# Altium PCB control_panel.PcbDoc (part 2 of 3)
Units mm, origin at the board's own origin, x right, y up, seen from the top; angles counter-clockwise.
Board outline 120 x 480 mm, 2 copper layers (Top Layer, Bottom Layer), stack 1.635 mm thick; 265 components, 200 nets, 829 pads, 401 vias.
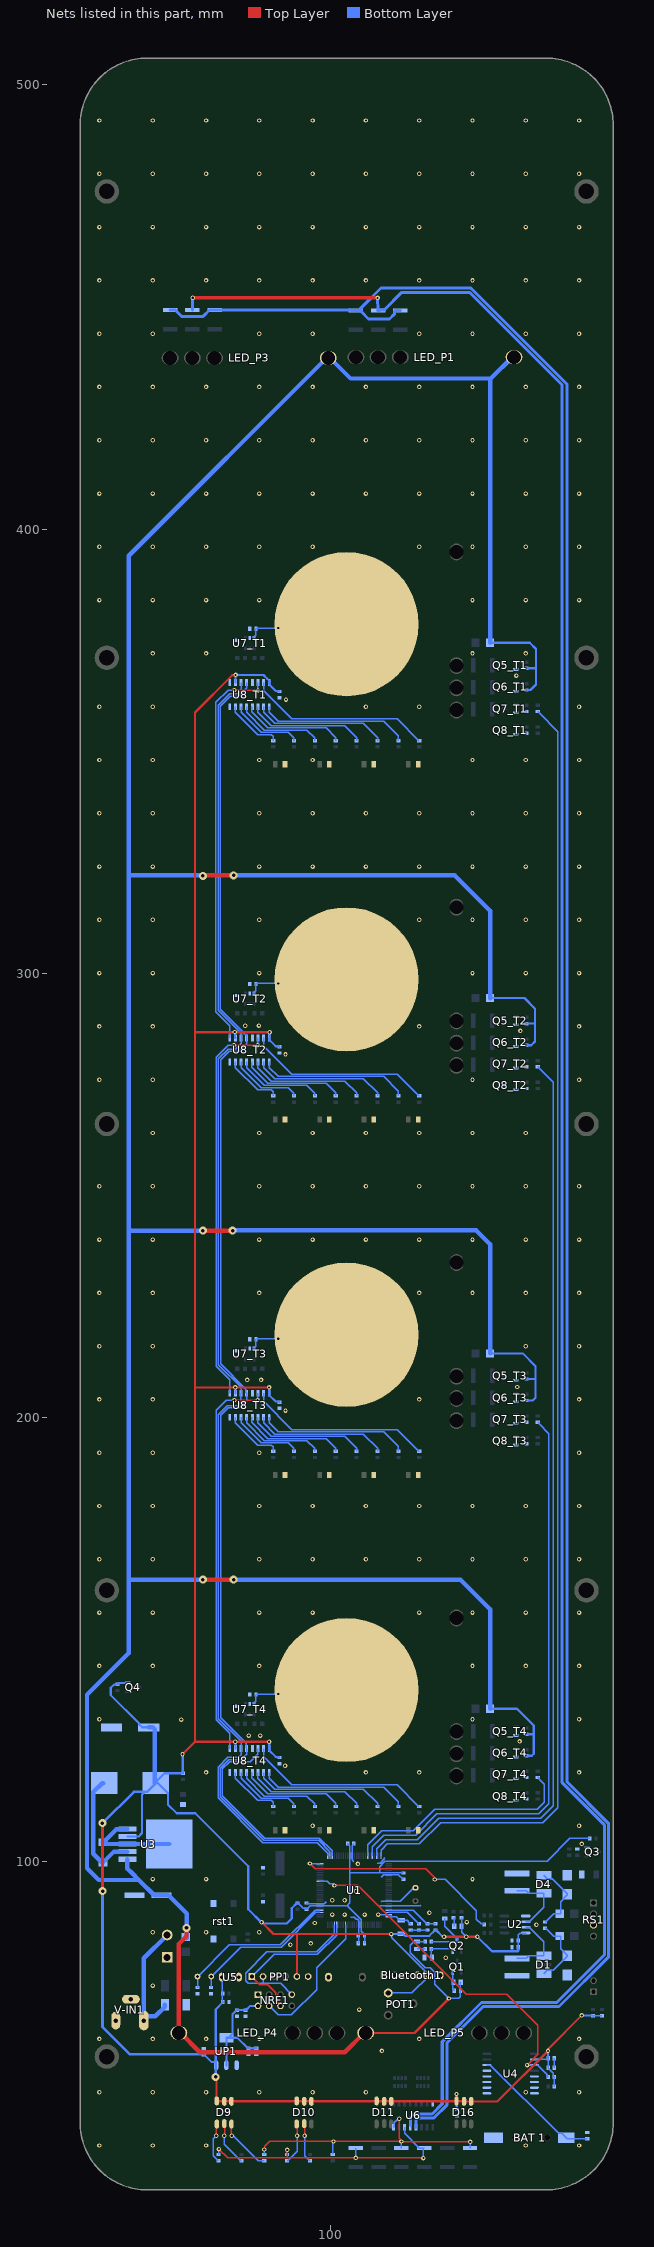
[diagram p2: the nets of this part, all layers, seen from the top]

## Part data
"BAT 1": "COIL CELL CR1220"
Bluetooth1: library part H-1x6, "Header, 6-Pin , female"
C1 C3 C4: library part Capacitor, "CAP SMD 0603", Part Number=C0805X106K9RAC7800
C2 C5 C6 C7 C8 C9 C10 C11 C12 C20 C21 C22 C23 C24 C25 C26_T1 C26_T2 C26_T3 C26_T4 C28_T1 C28_T2 C28_T3 C28_T4 C29 C30 C33: library part Cap, "CAP SMD 0603", LatestRevisionDate=17-Jul-2002, LatestRevisionNote="Re-released for DXP Platform.", PackageDescription="Radial Cap, Thru-Hole; 2 Leads; 0.3 in Pin Spacing", PackageReference=RAD-0.3, Published=8-Jun-2000, Publisher="Altium Limited"
C13 C14: library part C1206C104Z5UACTU, "CAP SMD 0603", Manufacturer_Name=Kemet, Mouser Part Number=80-C1206C104Z5U, Datasheet Link=https://componentsearchengine.com/Datasheets/1/C1206C104Z5UACTU.pdf, Height=0.88mm, Manufacturer_Part_Number=C1206C104Z5UACTU, Mouser Price/Stock=https://www.mouser.com/Search/Refine.aspx?Keyword=80-C1206C104Z5U
C15 C16 C17 C31 C32: library part Capacitor, "CAP SMD 0805", Part Number=C0805X106K9RAC7800
C18 C19: library part "Cap Pol1", "CAP POLAR SMD", LatestRevisionDate=17-Jul-2002, LatestRevisionNote="Re-released for DXP Platform.", PackageDescription="Polarized Capacitor (Radial); 2 Leads", PackageReference=RB7.6-15, Published=8-Jun-2000, Publisher="Altium Limited"
C27_T1 C27_T2 C27_T3 C27_T4: library part Cap, "X7R_NPO", LatestRevisionDate=17-Jul-2002, LatestRevisionNote="Re-released for DXP Platform.", PackageDescription="Radial Cap, Thru-Hole; 2 Leads; 0.3 in Pin Spacing", PackageReference=RAD-0.3, Published=8-Jun-2000, Publisher="Altium Limited"
D1 D4: "TVS Diode (Bi-directional)", Manufacturer_Name=Bourns, Mouser Part Number=652-TBU-CA065-200-WH, Arrow Part Number=TBU-CA065-200-WH, Arrow Price/Stock=https://www.arrow.com/en/products/tbu-ca065-200-wh/bourns?region=nac, Datasheet Link=https://www.bourns.com/data/global/pdfs/TBU-CA.pdf, Height=1mm, Manufacturer_Part_Number=TBU-CA065-200-WH, Mouser Price/Stock=https://www.mouser.co.uk/ProductDetail/Bourns/TBU-CA065-200-WH?qs=kLtMOTa49OkdVs42fYbv8A%3D%3D
D2 D3: "TVS DIODE 12V 19.9V SMB", Current - Peak Pulse (10/1000µs)=30.15A, Manufacturer="AVX Corporation", Operating Temperature="-55°C ~ 150°C (TJ)", Package / Case="DO-214AA, SMB", Power - Peak Pulse=600W, Power Line Protection=No, Supplier Device Package=SMB, Supplier Part Number 1=478-7062-1-ND, Voltage - Breakdown (Min)=13.3V, Voltage - Clamping (Max) @ Ipp=19.9V, Voltage - Reverse Standoff (Typ)=12V, Applications="General Purpose", Bidirectional Channels=1, ComponentLink1Description=Datasheet, ComponentLink1URL=//media.digikey.com/pdf/Data%20Sheets/AVX%20PDFs/Transient%20Suppression%20Diodes.pdf, ComponentLink2Description="DigiKey Link", ComponentLink2URL=http://digikey.com/product-detail/en/avx-corporation/SMBJ12CA/478-7062-1-ND/3340353, LastUpdated="9/2/2020 1:28:17 AM", Lifecycle Status=Active, Minimum Order=1, Mounting Type="Surface Mount", Packaging=TapeAndReel, Part Number=SMBJ12CA, Part Status=Active, PartId=9012, Price=0.16, Series=-, Supplier 1=DigiKey, Type=Zener
D5: library part "Diode 1N4007", "1 Amp schottky Diode", Code_JEDEC=DO-204-AL, ComponentLink1Description="Manufacturer Link", ComponentLink1URL=http://www.fairchildsemi.com/, ComponentLink2Description=Datasheet, ComponentLink2URL=http://www.fairchildsemi.com/ds/1N%2F1N4001.pdf, DatasheetVersion=1998, LatestRevisionDate=17-Jul-2002, LatestRevisionNote="Re-released for DXP Platform.", PackageDescription="Diode, Axial; Body 5.2 x 2.7 mm (LxDia. max), Lead Dia. 0.86 mm (max)", PackageReference=DO-41, PackageVersion=Aug-1999, Published=8-Jun-2000, Publisher="Altium Limited"
D6 D7: library part SBR0560S1-7, "Diode Super Barrier 60V 500mA Surface Mount SOD-123", Package="SOD-123 Diodes Inc.", Availability=Unavailable, MF="Diodes Inc.", MP=SBR0560S1-7, Price=None, SnapEDA_Link=https://www.snapeda.com/parts/SBR0560S1-7/Diodes%20Inc./view-part/491648/?ref=snap
D8: library part "D Zener", "Zener Diode 5.1v", LatestRevisionDate=17-Jul-2002, LatestRevisionNote="Re-released for DXP Platform.", PackageDescription="Diode, Thru-Hole; 2 Leads; 0.7 in Pin Spacing", PackageReference=DIODE-0.7, Published=8-Jun-2000, Publisher="Altium Limited"
D9 D10 D11 D16: library part "LED SMD 5050 RGB", "SMD 5050 RGB LED", Comment_1="SMD 5050 RGB", ComponentLink1Description="SMD 5050 RGB", ComponentLink1URL=http://www.yuanlei-led.com, ComponentLink2Description=Reference, Design Date=1395/11/10, Designer="Abbas Basereh", HelpURL="probably color of the leds not mached real please check and change", Mounting Technology="Surface Mount", PackageDescription="SMD 5050 RGB", Pin Count=6, Publisher="Abbas Basereh", Status=Unreleased
D12_T1 D12_T2 D12_T3 D12_T4 D13_T1 D13_T2 D13_T3 D13_T4 D14_T1 D14_T2 D14_T3 D14_T4 D15_T1 D15_T2 D15_T3 D15_T4: library part LED0, "LED SMD 0805 RED", LatestRevisionDate=08-Jul-2005, LatestRevisionNote="Mech Layer 1 removed.", PackageDescription="LED; 2 Leads", PackageReference=LED-0, Published=8-Jun-2000, Publisher="Altium Limited"
F1 F2 F3: library part 1206SFS200F_63-2, "Fuse 1206", Manufacturer_Name="TE Connectivity", Manufacturer_Part_Number=1206SFS200F/63-2, Datasheet Link=http://docs-emea.rs-online.com/webdocs/13b6/0900766b813b6e27.pdf, Height=1.17mm
GDT1 GDT2: "Gas Discharge Tube SMD", Package=None, Availability=Unavailable, MP=2031-15T-SM-RPLF, Price=None
I1: "XH 2pin standing"
L1: library part Inductor, "Inductor 1206", Code_IEC=1005, Code_JEITA=0402, LatestRevisionDate=29-May-2009, LatestRevisionNote="IPC-7351 Footprint Added.", PackageDescription="Chip Inductor", PackageReference=0402-A, Published=8-Jun-2000, Publisher="Altium Limited"
L2: library part Inductor, "Inductor 12*12mm", Code_IEC=1005, Code_JEITA=0402, LatestRevisionDate=29-May-2009, LatestRevisionNote="IPC-7351 Footprint Added.", PackageDescription="Chip Inductor", PackageReference=0402-A, Published=8-Jun-2000, Publisher="Altium Limited"
LDR1: library part LDR, "Photo Cell- Variable Resistor With Light", Company="IPA CO.", Designer="Saeid Jorablo", Last Update Time=2008/07/17
LED1: library part 7012X1, "LED SMD 0805 RED", Package=None, Availability=Unavailable, MP=7012X1, Price=None
LED_P1 LED_P2_T1 LED_P2_T2 LED_P2_T3 LED_P2_T4 LED_P3 LED_P4 LED_P5: library part "Header 4", "7led-red white LED pack", LatestRevisionDate=17-Jul-2002, LatestRevisionNote="Re-released for DXP Platform.", Publisher="Altium Limited"
NRF1: library part NRF24L01P, "NRF Module", Ali Hafizi=Creature
PAD1_T1 PAD1_T2 PAD1_T3 PAD1_T4: library part "Test Point"
POT1: library part POT, "Variable Resistor"
PP1: "Header, 6-Pin , female", LatestRevisionDate=17-Jul-2002, LatestRevisionNote="Re-released for DXP Platform.", Publisher="Altium Limited"
Q1 Q2 Q3 Q5_T1 Q5_T2 Q5_T3 Q5_T4 Q6_T1 Q6_T2 Q6_T3 Q6_T4 Q7_T1 Q7_T2 Q7_T3 Q7_T4 Q8_T1 Q8_T2 Q8_T3 Q8_T4: "Transistor BJT NPN SMD", Manufacturer_Name="Foshan Blue Rocket Elec", Datasheet Link=https://datasheet.lcsc.com/szlcsc/1901291437_Foshan-Blue-Rocket-Elec-2N2222A_C358533.pdf, Height=4.7mm, Manufacturer_Part_Number=2N2222A
Q4: library part MOSFET-P, "P-Channel MOSFET SOT23", LatestRevisionDate=17-Jul-2002, LatestRevisionNote="Re-released for DXP Platform.", PackageDescription="TO, Flat Index; 3 In-Line, Axial Leads; Body Dia. 4.6mm; Lead Dia. 0.5 mm (max)", PackageReference=E3, PackageVersion=1995/1996, Published=8-Jun-2000, Publisher="Altium Limited"
R1 R2 R3 R10 R11 R12 R13 R14 R15 R16 R17 R18 R19 R20 R21 R25 R26 R28 R29 R30 R31_T1 R31_T2 R31_T3 R31_T4 R32_T1 R32_T2 R32_T3 R32_T4 R33_T1 R33_T2 R33_T3 R33_T4 R34_T1 R34_T2 R34_T3 R34_T4 R35_T1 R35_T2 R35_T3 R35_T4 R36_T1 R36_T2 R36_T3 R36_T4 R37_T1 R37_T2 R37_T3 R37_T4 R38_T1 R38_T2 R38_T3 R38_T4 R43_T1 R43_T2 R43_T3 R43_T4 R44_T1 R44_T2 R44_T3 R44_T4 R45_T1 R45_T2 R45_T3 R45_T4 R46_T1 R46_T2 R46_T3 R46_T4 R47_T1 R47_T2 R47_T3 R47_T4 R48_T1 R48_T2 R48_T3 R48_T4 R49 R50 R51: library part Resistor, "RES SMD 0603", Part Number=RCS0805100KFKEA
R4 R5 R6 R7 R8 R9: library part CRCW080510K0JNEAIF, "RES SMD 0805", Device Package="0805 (2012 Metric)", Manufacturer="Vishay Dale", Operating Temperature="-55°C ~ 155°C", Power (Watts)="0.125W, 1/8W", Ratings=AEC-Q200, Resistance="10 kOhms", Supplier Device Package=0805, Supplier Part Number 1=541-10KAPCT-ND, Temperature Coefficient=±200ppm/°C, Tolerance=±5%, ComponentLink1Description=Datasheet, ComponentLink1URL=http://www.vishay.com/docs/20024/dcrcwife3.pdf, ComponentLink2Description="DigiKey Link", ComponentLink2URL=http://digikey.com/product-detail/en/vishay-dale/CRCW080510K0JNEAIF/541-10KAPCT-ND/3477322, Composition="Thick Film", Features="Automotive AEC-Q200, Pulse Withstanding", Height - Seated (Max)="0.020\" (0.50mm)", LastUpdated="9/2/2020 1:14:55 AM", Lifecycle Status=Active, Minimum Order=1, Number of Terminations=2, Package / Case="0805 (2012 Metric)", Packaging=TapeAndReel, Part Number=CRCW080510K0JNEAIF, Part Status=Active, PartId=40891, Price=0.08, Series=CRCW-IF, Size / Dimension="0.079\" L x 0.049\" W (2.00mm x 1.25mm)", Supplier 1=DigiKey
R22 R23 R24 R40_T1 R40_T2 R40_T3 R40_T4 R41_T1 R41_T2 R41_T3 R41_T4 R42_T1 R42_T2 R42_T3 R42_T4 R52 R53 R54 R55 R56 R57 R58 R59 R60: library part Resistor, "RES SMD 1812", Part Number=RCS0805100KFKEA
R27 R61: library part YC164-JR-07330RL, "RES Array 0603-4x 100 to 200 OHM", Package="1206 Yageo", Availability=Unavailable, DigiKey-Purchase-URL=https://snapeda.com/shop?store=DigiKey&id=106017, MF=Yageo, Mouser-Purchase-URL=https://snapeda.com/shop?store=Mouser&id=106017, MP=YC164-JR-07330RL, Price=None, SnapEDA_Link=https://www.snapeda.com/parts/YC164-JR-07330RL/Yageo/view-part/106017/?ref=snap
R39_T1 R39_T2 R39_T3 R39_T4: library part Resistor, "Fuse 1206", Part Number=RCS0805100KFKEA
RS1: "XH 4pin standing"
rst1: library part DTSM-66R-V-T_R, "Push Button SMD - 4PIN", Manufacturer_Name=Diptronics, Manufacturer_Part_Number=DTSM-66R-V-T/R, Mouser Part Number=113-DTSM66RVTR, Datasheet Link=https://www.mouser.co.uk/datasheet/2/910/464_DTSMJ-6-1571536.pdf, Height=7.1mm, Mouser Price/Stock=https://www.mouser.co.uk/ProductDetail/Diptronics/DTSM-66R-V-T-R?qs=MLItCLRbWsxl2%252BVY862AIw%3D%3D
SP1: library part "PIEZO BUZZER", "PIEZO BUZZER 5VOLTS", Comment_1="SPEAKER AND BEEP", ComponentLink2Description=Reference, Design Date=1395/11/14, Designer="Abbas Basereh", Mounting Technology=THD, PackageDescription=THD, Pin Count=2, Publisher="Abbas Basereh", Status=Unreleased
U1: "ATMEGA2560-LQFP100", Manufacturer_Name=Microchip, Mouser Part Number=556-ATMEGA2560-16AUR, Arrow Part Number=ATMEGA2560-16AUR, Arrow Price/Stock=https://www.arrow.com/en/products/atmega2560-16aur/microchip-technology?region=nac, Datasheet Link=http://ww1.microchip.com/downloads/en/DeviceDoc/Atmel-2549-8-bit-AVR-Microcontroller-ATmega640-1280-1281-2560-2561_datasheet.pdf, Height=1.2mm, Manufacturer_Part_Number=ATMEGA2560-16AUR, Mouser Price/Stock=https://www.mouser.co.uk/ProductDetail/Microchip-Technology-Atmel/ATMEGA2560-16AUR?qs=6Dg1WZIWLC5tcX5fO8xzXQ%3D%3D
U2: "MAX485 SMD", Manufacturer_Name="Analog Devices", Mouser Part Number=584-ADM4850ARZ, Arrow Part Number=ADM4850ARZ, Arrow Price/Stock=https://www.arrow.com/en/products/adm4850arz/analog-devices, Datasheet Link=http://www.analog.com/static/imported-files/data_sheets/ADM4850_4851_4852_4853_4854_4855_4856_4857.pdf, Height=1.75mm, Manufacturer_Part_Number=ADM4850ARZ, Mouser Price/Stock=https://www.mouser.com/Search/Refine.aspx?Keyword=584-ADM4850ARZ
U3: library part lm2596
U4: "DS3231 rtc"
U5: "1-Wire Digital Thermometer", ComponentAvailability=Obsolete, ComponentLink1Description="Manufacturer Link", ComponentLink1URL=http://www.maxim-ic.com/, ComponentLink2Description=Datasheet, ComponentLink2URL=http://pdfserv.maxim-ic.com/en/ds/DS1820-DS1820S.pdf, ComponentLink3Description="Discontinuation Notice", ComponentLink3URL=http://www.maxim-ic.com/qa/pdfs/non-obsolescence-letter.pdf, DatasheetVersion=5-Mar-1998, LatestRevisionDate=17-Jul-2002, LatestRevisionNote="Re-released for DXP Platform.", PackageDescription="TO, Flat Index; 3 In-Line, Axial Leads; Body Dia. 4.6mm; Leads 0.56 x 0.51 mm (max)", PackageReference=PR35, PackageVersion=1999, Published=13-Oct-2000, Publisher="Altium Limited"
U6: "ULN2003 SMD", Manufacturer_Name="ON Semiconductor", Mouser Part Number=863-ULN2003ADR2G, Arrow Part Number=ULN2003ADR2G, Arrow Price/Stock=https://www.arrow.com/en/products/uln2003adr2g/on-semiconductor?region=europe, Datasheet Link=http://www.onsemi.com/pub/Collateral/ULN2003A-D.PDF, Height=1.75mm, Manufacturer_Part_Number=ULN2003ADR2G, Mouser Price/Stock=https://www.mouser.co.uk/ProductDetail/onsemi/ULN2003ADR2G?qs=t2BMfLoP1KRgd83C6tnDAg%3D%3D
U7_T1 U7_T2 U7_T3 U7_T4: library part ttp223b, "capacitive touch IC"
U8_T1 U8_T2 U8_T3 U8_T4: "74HC595 SMD", Manufacturer_Name=Nexperia, Mouser Part Number=N/A, Datasheet Link=https://componentsearchengine.com/Datasheets/2/74HC595D.pdf, Height=1.75mm, Manufacturer_Part_Number=74HC595D, Mouser Price/Stock=https://www.mouser.com/Search/Refine.aspx?Keyword=N%2FA
UP1: library part AMS1117-x.x, "3.3 Volt, 800mA SOT-223", Data=16-12-2016, Designer="Ali Hafizi"
V-IN1: library part DCJ235-05-A-XX-X_REVA, "Dc Power Jack on-board", Package=None, Availability=Unavailable, MF="Global Connector Technology", MP=DCJ235-05-A-K1-A, Price=None, SnapEDA_Link=https://www.snapeda.com/parts/DCJ235-05-A-K1-A/Global%20Connector%20Technology/view-part/813042/?ref=snap
V-IN2: library part OQ0271510000G, "Phoenix Terminal Right 2PIN", Package=None, Availability=Warning, Check_prices=https://www.snapeda.com/parts/OQ0271510000G/Amphenol/view-part/4075971/?ref=eda, MF="Amphenol Anytek", MP=OQ0271510000G, Price=None, Purchase-URL=https://pricing.snapeda.com/search/part/OQ0271510000G/?ref=eda, SnapEDA_Link=https://www.snapeda.com/parts/OQ0271510000G/Amphenol/view-part/4075971/?ref=snap
W1_T1 W1_T2 W1_T3 W1_T4 W2_T1 W2_T2 W2_T3 W2_T4: "Jumper Wire", LatestRevisionDate=17-Jul-2002, LatestRevisionNote="Re-released for DXP Platform.", PackageDescription="Radial Cap, Thru-Hole; 2 Leads; 0.2 in Pin Spacing", PackageReference=RAD-0.2, Published=24-Mar-1999, Publisher="Altium Limited"
Y1: library part ECS-180-S-5P-DN-TR, "Crystals 16MHz", Package="HC49/US ECS International", Availability=Unavailable, MF="ECS International", MP=ECS-180-S-5P-DN-TR, Price=None, SnapEDA_Link=https://www.snapeda.com/parts/ECS-180-S-5P-DN-TR/ECS%20International/view-part/2547669/?ref=snap
Y2: library part XTAL, "RTC crystal", Company=E.P.I.L, Design Date=11/04/2011

## Free pads (board coordinates)
  round 5.5 hole 3.5: S(49.669,56.027) S(49.669,161.027) S(49.669,266.027) S(49.669,371.027) S(49.669,476.027) S(157.669,56.027) S(157.669,161.027) S(157.669,266.027) S(157.669,371.027) S(157.669,476.027)

## Via types
v1: diameter 1, hole 0.5, Top Layer to Bottom Layer, tented both sides, 391 vias
v2: diameter 1.8, hole 0.8, Top Layer to Bottom Layer, tented both sides, 10 vias

## Nets (pads, with @x,y where several pads share a name; then routed paths per layer and width w, separated by ;. In a path a pad name is that pad's centre, name@x,y a point inside that pad or via, vN(x,y) a via of type N, cw(c..) or ccw(c..) an arc to the next point about the centre after c; other vN are vias at no path point)
3v3: C20.2 C29.2 C30.2 NRF1.2 R19.1 UP1.2 UP1.4 | length 26.1
  Bottom Layer w0.5: UP1.2@76.581,54.077 UP1.4@76.581,60.277 UP1.4@77.081,60.277 ; R19.1@83.312,57.877 C20.2@81.534,57.877 81.439,57.877 79.039,60.277 UP1.4@77.081,60.277 ; NRF1.2@83.693,67.437 81.945,67.437 80.994,66.486 C30.2@80.899,66.486 C29.2@78.994,66.486 78.899,66.486 77.931,65.518 77.931,61.127 UP1.4@77.081,60.277
485en: R5.2 U1.50 | length 48.5
  Top Layer w0.3: v1(95.4,99.5) 96.6,98.3 121.502,98.3 123.5,96.302 v1(123.5,95.9)
  Bottom Layer w0.3: v1(95.4,99.5) 95.428,99.472 U1.50@97.66,99.472 ; v1(123.5,95.9) 125.814,95.9 132.9,88.814 132.9,87 134,85.9 134.57,85.9 R5.2@134.682,85.788
+5: Bluetooth1.5 C7.1 C9.1 C10.1 C11.1 C12.1 C13.1 C14.1 C19.1 C21.2 C22.2 C23.2 C25.2 C28_T1.2 C28_T2.2 C28_T3.2 C28_T4.2 C31.1 C33.2 D9.4 D9.5 D9.6 D10.4 D10.5 D10.6 D11.4 D11.5 D11.6 D16.4 D16.5 D16.6 L1.1 L2.2 POT1.2 PP1.5 Q4.2 R1.2 R2.2 R8.1 R9.1 R12.2 R15.1 R16.1 R20.1 R21.2 R25.2 R26.2 U1.10 U1.31 U1.61 U1.80 U2.8 U3.4 U4.2 U5.3 U8_T1.10 U8_T1.16 U8_T2.10 U8_T2.16 U8_T3.10 U8_T3.16 U8_T4.10 U8_T4.16 UP1.3 | length 878.4
  Top Layer w0.5: v1(66.7,124.1) 69.5,126.9 ; v2(74.168,51.435) 74.327,51.276 74.327,46.13 D9.6@74.423,46.034 74.473,45.984 D16.5@130.098,45.984 ; v1(78.657,367.156) 78.604,367.104 77.904,367.104 69.5,358.7 69.5,286.8 ; v1(84.5,86.25) 84.55,86.25 87.2,83.6 92.5,83.6 ; v1(86.2,126.9) v1(78.6,126.9) 69.5,126.9 ; v1(86.2,206.7) 69.5,206.7 ; v1(86.3,286.7) 69.6,286.7 69.5,286.8 ; PP1.5@92.456,74.041 92.5,74.085 92.5,83.6 ; v1(113.7,83.6) 92.5,83.6 ; v1(125.6,83) v1(130.6,83) v1(133.1,83) ; D16.6@128.334,46.098 D16.6@128.398,46.034 128.399,46.035 v1(128.4,47.6) ; D16.5@130.098,45.934 D16.4@131.698,45.934 137.634,45.934 v1(149,57.3) 149.1,57.4 149.1,57.8 v1(156.6,65.3) ; 69.5,126.9 69.5,206.7 ; 69.5,206.7 69.5,286.8 ; v1(128.4,47.6) v1(128.4,47.6)
  Top Layer w0.6: v2@48.387,108.585 48.387,108.211 48.7,107.898 v2(48.7,93.3)
  Bottom Layer w0.3: U5.3@75.565,73.914 75.596,73.883 75.596,70.389 R26.2@75.754,70.231 ; C25.2@75.596,68.357 R26.2@75.596,70.231 ; C25.2@75.723,68.357 C25.2@75.754,68.326 ; R1.2@92.583,90.616 92.678,90.616 93.853,89.441 94.39,89.441 C12.1@94.615,89.216 94.71,89.216 95.466,89.972 U1.31@97.66,89.972 103.762,89.972 106.91,86.824 U1.10@106.91,85.722 106.91,84.193 107.696,83.407 C7.1@107.696,81.534 ; 103.767,89.967 104.41,90.61 104.41,97.4 ; C9.1@103.883,104.013 103.883,103.918 104.108,103.693 104.203,103.693 104.41,103.486 U1.61@104.41,101.222 104.41,97.4 ; POT1.2@113.018,70.345 118.374,70.345 122.174,74.145 Bluetooth1.5@122.174,74.295 122.174,74.445 113.834,82.785 113.834,83.466 v1(113.7,83.6) ; C10.1@116.459,97.347 116.334,97.472 U1.80@113.16,97.472 111.1,97.472 ; R12.2@129.54,87.249 C31.1@129.54,85.345 129.54,84.06 v1(130.6,83) ; C13.1@142.305,80.645 C14.1@142.305,82.169 142.305,83.405 142.707,83.807 143.948,83.807 U2.8@144.005,83.864 ; U4.2@145.939,55.372 148.808,55.372 C22.2@149.033,55.597 ; C22.2@149.033,55.626 C22.2@149.033,55.597 ; R25.2@150.433,49.276 R21.2@150.433,51.393 150.208,51.618 150.208,52.239 149.033,53.414 C23.2@149.033,53.509 C22.2@149.033,55.597 ; R16.1@158.431,105.156 153.956,105.156 148.8,100 112.3,100 112.272,99.972 112.265,99.972 112.06,99.767 112.06,99.76 111.1,98.8 111.1,97.472 ; R8.1@159.131,65.213 R9.1@161.163,65.213 ; 104.41,97.4 104.482,97.472 111.1,97.472
  Bottom Layer w0.5: U3.4@54.306,105.586 56.818,105.586 57.6,106.368 57.6,115.057 57.893,115.35 57.95,115.35 57.953,115.354 L2.2@57.953,115.646 ; Q4.2@54.376,140.142 52.44,140.142 52.165,139.867 R20.1@52.07,139.867 52.03,139.827 51.308,139.827 50.546,139.065 50.546,137.414 56.956,131.004 56.956,130.825 57.606,130.175 C19.1@59.106,130.175 ; L2.2@60.41,117.602 62.634,119.826 R15.1@66.802,119.826 66.751,119.877 66.751,124.049 v1(66.7,124.1) ; L2.2@60.7,117.6 61.2,117.6 63.45,115.35 63.45,112.75 65.4,110.8 69.6,110.8 81.5,98.9 81.5,89.2 v1@84.475,86.225 ; C21.2@71.501,56.45 71.596,56.45 73.273,54.773 74.05,54.773 UP1.3@74.168,54.655 ; v2(74.168,51.435) UP1.3@74.168,54.655 ; C25.2@75.754,68.326 75.754,68.231 74.168,66.645 UP1.3@74.168,54.655 ; v1(78.445,286.745) 78.538,286.653 78.538,285.489 U8_T2.10@78.613,285.414 ; v1(78.6,126.9) 78.607,126.894 78.607,125.401 U8_T4.10@78.613,125.394 ; v1(78.6,206.7) 78.607,206.694 78.607,205.411 U8_T3.10@78.613,205.404 ; U8_T1.10@78.613,365.424 78.657,365.468 v1(78.657,367.156) 84.954,367.156 85.804,366.306 85.804,366.29 86.233,365.862 U8_T1.16@86.233,365.424 86.233,364.987 87.682,363.537 88.394,363.537 C28_T1.2@88.519,363.412 ; v1@84.7,86 90.2,86 91.3,87.1 91.3,89.428 92.488,90.616 R1.2@92.583,90.616 ; v1(86.2,126.9) 86.217,126.884 86.217,125.411 U8_T4.16@86.233,125.394 86.233,124.957 87.682,123.507 88.394,123.507 C28_T4.2@88.519,123.382 ; v1(86.2,206.7) 86.217,206.684 86.217,205.421 U8_T3.16@86.233,205.404 86.233,204.967 87.682,203.517 88.394,203.517 C28_T3.2@88.519,203.392 ; v1(86.3,286.7) 86.267,286.667 86.267,285.448 U8_T2.16@86.233,285.414 86.233,284.977 87.682,283.527 88.394,283.527 C28_T2.2@88.519,283.402 ; v1(113.7,83.6) 113.754,83.654 115.897,83.654 L1.1@115.951,83.707 116.301,83.707 116.808,83.2 122.286,83.2 123.603,84.517 R2.2@123.698,84.517 123.793,84.517 125.214,83.096 125.504,83.096 v1(125.6,83) ; v1(128.4,47.6) 128.45,47.55 128.45,44.15 C33.2@128.5,44.1 ; v1(133.1,83) 136.375,79.725 142.237,79.725 142.305,79.793 C13.1@142.305,80.645 ; v1(149,57.3) 149.016,57.283 149.016,55.642 C22.2@149.033,55.626 ; v1(156.6,65.3) 156.643,65.257 159.087,65.257 R8.1@159.131,65.213
  Bottom Layer w0.6: v2(48.677,108.583) 55.738,115.644 57.66,115.644 ; v2(48.7,93.3) 48.7,62.679 54.864,56.515 C21.2@71.58,56.515 ; L2.2@57.95,115.644 58.743,115.644 L2.2@60.7,117.6
  Bottom Layer w1: C19.1@59.106,130.175 60.01,130.175 60.41,129.775 L2.2@60.41,117.602
+24: C15.2 C18.1 C32.1 F3.2 LED_P1.1 LED_P3.1 LED_P4.1 LED_P5.1 R10.2 R11.2 R39_T1.1 R39_T2.1 R39_T3.1 R39_T4.1 R43_T1.1 R43_T2.1 R43_T3.1 R43_T4.1 R44_T1.1 R44_T2.1 R44_T3.1 R44_T4.1 U3.1 | length 1033.4
  Top Layer w0.5: LED_P5.1@107.95,61.341 118.941,61.341 v1(126.7,69.1)
  Top Layer w1: v2(67.6,85) 67.6,83.1 65.873,81.373 LED_P4.1@65.873,61.341 66.273,61.341 70.614,57 103.209,57 107.55,61.341 LED_P5.1@107.95,61.341 ; v2@71.275,321.9 v2@71.325,321.95 ; v2(71.3,163.4) v2(78.2,163.4) ; v2@71.35,322 v2(78.2,322) ; v2@71.4,242 v2(78,242)
  Bottom Layer w0.3: R11.2@121.347,81.916 C32.1@119.507,81.915 119.492,81.9 118.8,81.9 118,81.1 118,79.4 121.4,76 122.5,76 123.5,75 123.5,72.3 v1(126.7,69.1) 128.9,69.1 129.296,69.496 R10.2@129.296,70.831 129.296,72.675 C15.2@129.357,72.736
  Bottom Layer w0.5: R39_T4.1@135.954,134.366 142.034,134.366 145.8,130.6 145.8,128.611 ; R39_T3.1@135.954,214.376 143.324,214.376 146.2,211.5 146.2,208.7 ; R39_T2.1@135.954,294.386 143.714,294.386 146.1,292 146.1,288.7 ; R39_T1.1@135.954,374.396 144.904,374.396 146.3,373 146.3,368.52 ; R44_T4.1@144.145,123.743 145.343,123.743 145.8,124.2 145.8,128.611 ; R43_T4.1@144.145,128.611 145.8,128.611 ; R44_T3.1@144.145,203.753 145.553,203.753 146.2,204.4 146.2,208.7 ; R43_T3.1@144.145,208.621 146.121,208.621 146.2,208.7 ; R44_T2.1@144.145,283.763 145.263,283.763 146.1,284.6 146.1,288.7 ; R43_T2.1@144.145,288.631 146.031,288.631 146.1,288.7 ; R44_T1.1@144.145,363.773 145.073,363.773 146.3,365 146.3,368.52 ; R43_T1.1@144.145,368.641 146.18,368.641 146.3,368.52
  Bottom Layer w1: U3.1@54.306,100.486 54.306,98.348 55.372,97.282 55.375,97.282 56.879,95.778 ; F3.2@67.691,82.677 67.691,88.166 63.528,92.329 C18.1@61.928,92.329 60.328,92.329 56.879,95.778 ; v2(71.3,163.4) 54.792,163.4 54.591,163.6 ; v2(71.3,242) 55.091,242 54.591,242.5 ; v2(71.3,321.9) 71.2,322 54.591,322 ; v2@78.1,242.1 v2@78.25,242.1 ; v2@78.15,242 v2@78.25,242.1 ; v2(78.2,163.4) 129.3,163.4 135.954,156.746 R39_T4.1@135.954,134.366 ; v2(78.2,322) 128,322 135.954,314.046 R39_T2.1@135.954,294.386 ; R39_T3.1@135.954,214.376 135.954,238.946 132.8,242.1 v2@78.25,242.1 ; R39_T1.1@135.954,374.396 135.954,433.716 136.138,433.9 ; LED_P1.1@141.351,438.713 140.951,438.713 136.138,433.9 ; 54.591,163.6 54.591,242.5 ; 54.591,163.6 54.591,146.891 45.2,137.5 45.2,98.4 47.822,95.778 56.879,95.778 ; 54.591,242.5 54.591,322 ; 54.591,322 54.591,394.009 99.114,438.531 LED_P3.1@99.514,438.531 99.914,438.531 104.545,433.9 136.138,433.9
ADC_DIF_ref: R2.1 R3.2 U1.97 | length 11.8
  Bottom Layer w0.3: U1.97@113.16,88.972 118.685,88.972 121.74,85.917 R3.2@121.835,85.917 R2.1@123.698,85.917
BLUE: R30.1 R51.1 R54.1 R57.1 U6.14 | length 62.8
  Top Layer w0.3: v1(74.9,35.2) 76.9,33.2 90.3,33.2 ; v1(90.3,35) 90.3,33.2 ; v1(120.949,33.151) 120.9,33.2 v1(105.7,33.2) 90.3,33.2
  Bottom Layer w0.3: R30.1@74.803,33.974 74.9,34.071 v1(74.9,35.2) ; R51.1@90.251,33.974 90.3,34.023 v1(90.3,35) ; R54.1@105.699,35.424 R54.1@105.699,35.424 v1(105.7,33.2) ; U6.14@116.713,40.087 116.713,38.707 119.996,35.424 R57.1@121.146,35.424 120.949,35.227 v1(120.949,33.151)
clk1: C2.2 U1.29 Y2.1 | length 36.3
  Bottom Layer w0.3: C2.2@70.104,71.566 70.078,71.592 Y2.1@70.078,74.041 70.104,74.041 77.216,81.153 88.718,81.153 96.537,88.972 U1.29@97.66,88.972
clk2: C5.1 U1.28 Y2.2 | length 32.8
  Bottom Layer w0.3: C5.1@73.178,71.667 Y2.2@73.178,74.041 79.774,80.637 88.909,80.637 96.744,88.472 U1.28@97.66,88.472
CS: NRF1.4 U1.17 | length 31.2
  Bottom Layer w0.3: NRF1.4@86.233,67.437 88.265,65.405 91.186,65.405 96.893,71.112 96.893,76.013 103.41,82.53 U1.17@103.41,85.722
DS_INT: R21.1 U1.42 U4.3 | length 78.7
  Top Layer w0.3: v1(100.9,94.55) 100.95,94.6 106.115,94.6 130.603,70.112 139.688,70.112 146.7,63.1 146.7,56.5 v1(144.3,54.1)
  Bottom Layer w0.3: U1.42@97.66,95.472 99.294,95.472 99.866,94.9 100.724,94.9 100.9,94.724 v1(100.9,94.55) ; v1(144.3,54.1) 144.301,54.101 U4.3@145.939,54.102 U4.3@145.939,54.102 146.689,54.102 148.808,51.983 148.808,51.618 R21.1@149.033,51.393
En: Bluetooth1.6
GND: "BAT 1.2" Bluetooth1.4 C1.1 C2.1 C4.1 C5.2 C6.2 C7.2 C8.2 C9.2 C10.2 C11.2 C12.2 C13.2 C14.2 C17.1 C18.2 C19.2 C20.1 C21.1 C22.1 C23.1 C24.1 C25.1 C26_T1.1 C26_T2.1 C26_T3.1 C26_T4.1 C27_T1.1 C27_T2.1 C27_T3.1 C27_T4.1 C28_T1.1 C28_T2.1 C28_T3.1 C28_T4.1 C29.1 C30.1 C31.2 C32.2 C33.1 D2.1 D3.2 D5.1 D7.A D8.1 D12_T1.2 D12_T2.2 D12_T3.2 D12_T4.2 D13_T1.2 D13_T2.2 D13_T3.2 D13_T4.2 D14_T1.2 D14_T2.2 D14_T3.2 D14_T4.2 D15_T1.2 D15_T2.2 D15_T3.2 D15_T4.2 GDT1.2 GDT2.2 LDR1.1 LED1.C NRF1.1 PP1.6 Q3.2 Q5_T1.2 Q5_T2.2 Q5_T3.2 Q5_T4.2 Q6_T1.2 Q6_T2.2 Q6_T3.2 Q6_T4.2 Q7_T1.2 Q7_T2.2 Q7_T3.2 Q7_T4.2 Q8_T1.2 Q8_T2.2 Q8_T3.2 Q8_T4.2 R3.1 R13.1 R14.1 R18.2 R19.2 R47_T1.2 R47_T2.2 R47_T3.2 R47_T4.2 R48_T1.2 R48_T2.2 R48_T3.2 R48_T4.2 RS1.3 rst1.3 rst1.4 SP1.2 U1.11 U1.32 U1.62 U1.81 U1.93 U1.95 U1.99 U2.5 U3.3 U3.5 U4.5 U4.6 U4.7 U4.8 U4.9 U4.10 U4.11 U4.12 U4.13 U5.1 U6.8 U7_T1.2 U7_T2.2 U7_T3.2 U7_T4.2 U8_T1.8 U8_T1.13 U8_T2.8 U8_T2.13 U8_T3.8 U8_T3.13 U8_T4.8 U8_T4.13 UP1.1 V-IN1.2 V-IN1.3 V-IN2.1 | length 75.1
  Bottom Layer w0.3: C12.2@94.615,90.616 94.759,90.472 U1.32@97.66,90.472 98.672,90.472 99.1,90.9 ; 104.6,87.4 105.334,87.4 105.82,86.914 106.113,86.914 106.41,86.617 106.41,86.41 106.41,81.648 C7.2@106.296,81.534 ; C9.2@105.283,104.013 105.283,103.918 104.91,103.545 U1.62@104.91,101.222 104.91,100.29 105.3,99.9 ; 110.6,99.6 111.183,99.6 112.002,100.42 112.002,100.502 112.3,100.8 ; 111.1,90 111.128,89.972 U1.95@113.16,89.972 120.272,89.972 120.4,90.1 ; 111.3,88.1 111.428,87.972 U1.99@113.16,87.972 ; 111.5,90.9 111.572,90.972 U1.93@113.16,90.972 115.748,90.972 118.487,93.711 118.527,93.711 118.812,93.996 LDR1.1@118.812,94.036 ; 111.5,96.4 112.072,96.972 U1.81@113.16,96.972 115.339,96.972 116.364,95.947 C10.2@116.459,95.947 ; C8.2@118.11,84.517 C6.2@119.973,84.517 R3.1@121.835,84.517 ; C32.2@119.507,80.265 R14.1@121.347,80.265 ; R13.1@127.762,87.249 127.89,87.121 C31.2@127.89,85.345 ; C23.1@150.433,53.509 C22.1@150.433,55.626
  Bottom Layer w1: D5.1@48.768,104.281 48.918,104.281 51.823,107.186 54.206,107.186 U3.5@54.306,107.286 ; D5.1@49.313,103.886 U3.3@54.306,103.886 U3.3@63.754,103.886
  other v1: 48,36 60,36 72,36 144,36 156,36 48,48 60,48 72,48 84,48 96,48 108,48 144,48 156,48 111.6,57.3 48,60 60,60 72,60 84,60 120,60 156,60 106.5,66.6 60,72 126,78.3 91,81.2 95.6,81.5 60,84 72,84 84,84 146.4,85.7 96.5,86.1 130.7,86.3 100.4,88 103.2,88 107.7,88 110.8,88 122.3,88.4 100.4,91.2 103.2,91.2 105.7,93.3 60,96 72,96 132,96 106.2,99.4 156.6,103.9 96,108 156,108 72,120 108,120 120,120 156,120 89.8,121.5 142.6,127 81.6,128.3 84.2,128.3 66.4,131.9 48,132 132,132 156,132 48,144 60,144 84,144 132,144 144,144 156,144 48,156 60,156 84,156 96,156 120,156 132,156 144,156 156,156 48,168 60,168 84,168 96,168 108,168 120,168 132,168 144,168 156,168 48,180 60,180 84,180 96,180 108,180 120,180 132,180 144,180 156,180 48,192 60,192 84,192 156,192 89.9,201.5 48,204 60,204 120,204 156,204 142.1,206.8 81.3,208.4 84.4,208.4 48,216 60,216 144,216 156,216 48,228 60,228 84,228 120,228 132,228 144,228 156,228 48,240 60,240 84,240 96,240 108,240 120,240 132,240 144,240 156,240 48,252 60,252 84,252 96,252 108,252 120,252 132,252 144,252 156,252 60,264 84,264 96,264 108,264 120,264 132,264 144,264 48,276 60,276 132,276 156,276 89.9,281.7 142.8,287 48,288 60,288 120,288 156,288 80.85,288.15 83.9,288.2 48,300 60,300 84,300 132,300 144,300 156,300 48,312 60,312 84,312 120,312 132,312 144,312 156,312 48,324 60,324 84,324 96,324 108,324 120,324 132,324 144,324 156,324 48,336 60,336 84,336 96,336 108,336 120,336 132,336 144,336 156,336 48,348 60,348 84,348 96,348 132,348 144,348 156,348 48,360 60,360 108,360 120,360 156,360 90,361.6 141.9,367 60,372 72,372 132,372 144,372 48,384 60,384 72,384 84,384 132,384 144,384 156,384 48,396 60,396 72,396 84,396 96,396 120,396 132,396 144,396 156,396 48,408 60,408 72,408 84,408 96,408 108,408 120,408 132,408 144,408 156,408 48,420 60,420 72,420 84,420 96,420 108,420 120,420 132,420 144,420 156,420 48,432 60,432 72,432 84,432 96,432 108,432 120,432 132,432 144,432 156,432 48,444 60,444 84,444 96,444 120,444 132,444 144,444 156,444 48,456 60,456 72,456 84,456 96,456 108,456 120,456 132,456 144,456 156,456 48,468 60,468 72,468 84,468 96,468 108,468 120,468 132,468 144,468 156,468 48,480 60,480 72,480 84,480 96,480 108,480 120,480 132,480 144,480 156,480 48,492 60,492 72,492 84,492 96,492 108,492 120,492 132,492 144,492 156,492
GREEN: R28.1 R49.1 R52.1 R55.1 U6.16 | length 62.5
  Top Layer w0.3: v1(85.1,35.1) 85.2,35.2 85.2,35.8 86.3,36.9 v1(100.7,36.9) v1(116,36.9) ; v1(115.5,42) 115.5,37.589 116,37.089 v1(116,36.9) ; v1(131.5,36.8) 131.45,36.85 116.05,36.85 v1(116,36.9)
  Bottom Layer w0.3: v1(85.1,35.1) 85.1,33.976 R28.1@85.102,33.974 ; R49.1@100.549,33.974 100.549,36.56 100.7,36.711 v1(100.7,36.9) ; U6.16@114.173,40.087 114.348,40.262 114.348,41.148 114.642,41.442 114.752,41.442 115.311,42 v1(115.5,42) ; R52.1@115.997,35.424 116,35.427 v1(116,36.9) ; R55.1@131.445,35.424 131.5,35.479 v1(131.5,36.8)
LED_Touch1: R46_T1.2 U1.75 | length 293.8
  Bottom Layer w0.3: U1.75@111.41,101.222 111.41,102.46 112.85,103.9 120,103.9 124.8,108.7 147.8,108.7 151.2,112.1 151.2,354.389 147.005,358.584 147.005,358.679 146.78,358.904 R46_T1.2@146.685,358.904
LED_Touch2: R46_T2.2 U1.73 | length 213.3
  Bottom Layer w0.3: U1.73@110.41,101.222 110.41,102.874 112.436,104.9 119.586,104.9 124.386,109.7 147.386,109.7 150.2,112.514 150.2,275.379 147.005,278.574 147.005,278.669 146.78,278.894 R46_T2.2@146.685,278.894
LED_Touch3: R46_T3.2 U1.71 | length 132.9
  Bottom Layer w0.3: U1.71@109.41,101.222 109.41,103.289 112.021,105.9 119.172,105.9 123.972,110.7 146.972,110.7 149.2,112.928 149.2,196.3 147.005,198.495 147.005,198.659 146.78,198.884 R46_T3.2@146.685,198.884
LED_Touch4: R46_T4.2 U1.69 | length 52.5
  Bottom Layer w0.3: U1.69@108.41,101.222 108.41,103.703 111.607,106.9 118.707,106.9 123.507,111.7 146.557,111.7 148.2,113.343 148.2,117.3 147.005,118.495 147.005,118.649 146.78,118.874 R46_T4.2@146.685,118.874
LEDlsb1_T1: R32_T1.2 U8_T1.1 | length 33.6
  Bottom Layer w0.3: U8_T1.1@86.233,360 86.233,358.73 88.228,356.735 112.022,356.735 115.316,353.441 R32_T1.2@115.316,352.363
LEDlsb1_T2: R32_T2.2 U8_T2.1 | length 33.6
  Bottom Layer w0.3: U8_T2.1@86.233,279.99 86.233,278.72 88.228,276.725 112.022,276.725 115.316,273.431 R32_T2.2@115.316,272.353
LEDlsb1_T3: R32_T3.2 U8_T3.1 | length 33.6
  Bottom Layer w0.3: U8_T3.1@86.233,199.98 86.233,198.71 88.228,196.715 112.022,196.715 115.316,193.421 R32_T3.2@115.316,192.343
LEDlsb1_T4: R32_T4.2 U8_T4.1 | length 33.6
  Bottom Layer w0.3: U8_T4.1@86.233,119.97 86.233,118.7 88.228,116.705 112.022,116.705 115.316,113.411 R32_T4.2@115.316,112.333
LEDlsb2_T1: R34_T1.2 U8_T1.3 | length 26.5
  Bottom Layer w0.3: U8_T1.3@83.693,360 83.693,358.73 86.704,355.719 103.259,355.719 105.918,353.06 R34_T1.2@105.918,352.363
LEDlsb2_T2: R34_T2.2 U8_T2.3 | length 26.5
  Bottom Layer w0.3: U8_T2.3@83.693,279.99 83.693,278.72 86.704,275.709 103.259,275.709 105.918,273.05 R34_T2.2@105.918,272.353
LEDlsb2_T3: R34_T3.2 U8_T3.3 | length 26.5
  Bottom Layer w0.3: U8_T3.3@83.693,199.98 83.693,198.71 86.704,195.699 103.259,195.699 105.918,193.04 R34_T3.2@105.918,192.343
LEDlsb2_T4: R34_T4.2 U8_T4.3 | length 26.5
  Bottom Layer w0.3: U8_T4.3@83.693,119.97 83.693,118.7 86.704,115.689 103.259,115.689 105.918,113.03 R34_T4.2@105.918,112.333
LEDlsb3_T1: R36_T1.2 U8_T1.5 | length 19.6
  Bottom Layer w0.3: U8_T1.5@81.153,360 81.153,358.73 85.164,354.719 94.734,354.719 96.441,353.012 96.441,352.442 R36_T1.2@96.52,352.363
LEDlsb3_T2: R36_T2.2 U8_T2.5 | length 19.6
  Bottom Layer w0.3: U8_T2.5@81.153,279.99 81.153,278.72 85.164,274.709 94.734,274.709 96.441,273.002 96.441,272.432 R36_T2.2@96.52,272.353
LEDlsb3_T3: R36_T3.2 U8_T3.5 | length 19.6
  Bottom Layer w0.3: U8_T3.5@81.153,199.98 81.153,198.71 85.164,194.699 94.734,194.699 96.441,192.992 96.441,192.422 R36_T3.2@96.52,192.343
LEDlsb3_T4: R36_T4.2 U8_T4.5 | length 19.6
  Bottom Layer w0.3: U8_T4.5@81.153,119.97 81.153,118.7 85.164,114.689 94.734,114.689 96.441,112.982 96.441,112.412 R36_T4.2@96.52,112.333
LEDlsb4_T1: R38_T1.2 U8_T1.7 | length 13
  Bottom Layer w0.3: U8_T1.7@78.613,360 78.613,358.73 83.624,353.719 86.717,353.719 87.122,353.314 R38_T1.2@87.122,352.363
LEDlsb4_T2: R38_T2.2 U8_T2.7 | length 13
  Bottom Layer w0.3: U8_T2.7@78.613,279.99 78.613,278.72 83.624,273.709 86.717,273.709 87.122,273.304 R38_T2.2@87.122,272.353
LEDlsb4_T3: R38_T3.2 U8_T3.7 | length 13
  Bottom Layer w0.3: U8_T3.7@78.613,199.98 78.613,198.71 83.624,193.699 86.717,193.699 87.122,193.294 R38_T3.2@87.122,192.343
LEDlsb4_T4: R38_T4.2 U8_T4.7 | length 13
  Bottom Layer w0.3: U8_T4.7@78.613,119.97 78.613,118.7 83.624,113.689 86.717,113.689 87.122,113.284 R38_T4.2@87.122,112.333
LEDmsb1_T1: R31_T1.2 U8_T1.15 | length 41.5
  Bottom Layer w0.3: U8_T1.15@84.963,365.424 84.963,363.601 91.313,357.251 115.032,357.251 119.92,352.363 R31_T1.2@120.015,352.363
LEDmsb1_T2: R31_T2.2 U8_T2.15 | length 41.5
  Bottom Layer w0.3: U8_T2.15@84.963,285.414 84.963,283.591 91.313,277.241 115.032,277.241 119.92,272.353 R31_T2.2@120.015,272.353
LEDmsb1_T3: R31_T3.2 U8_T3.15 | length 41.5
  Bottom Layer w0.3: U8_T3.15@84.963,205.404 84.963,203.581 91.313,197.231 115.032,197.231 119.92,192.343 R31_T3.2@120.015,192.343
LEDmsb1_T4: R31_T4.2 U8_T4.15 | length 41.5
  Bottom Layer w0.3: U8_T4.15@84.963,125.394 84.963,123.571 91.313,117.221 115.032,117.221 119.92,112.333 R31_T4.2@120.015,112.333
LEDmsb2_T1: R33_T1.2 U8_T1.2 | length 30
  Bottom Layer w0.3: U8_T1.2@84.963,360 84.963,358.73 87.458,356.235 107.442,356.235 110.617,353.06 R33_T1.2@110.617,352.363
LEDmsb2_T2: R33_T2.2 U8_T2.2 | length 30
  Bottom Layer w0.3: U8_T2.2@84.963,279.99 84.963,278.72 87.458,276.225 107.442,276.225 110.617,273.05 R33_T2.2@110.617,272.353
LEDmsb2_T3: R33_T3.2 U8_T3.2 | length 30
  Bottom Layer w0.3: U8_T3.2@84.963,199.98 84.963,198.71 87.458,196.215 107.442,196.215 110.617,193.04 R33_T3.2@110.617,192.343
LEDmsb2_T4: R33_T4.2 U8_T4.2 | length 30
  Bottom Layer w0.3: U8_T4.2@84.963,119.97 84.963,118.7 87.458,116.205 107.442,116.205 110.617,113.03 R33_T4.2@110.617,112.333
LEDmsb3_T1: R35_T1.2 U8_T1.4 | length 23.2
  Bottom Layer w0.3: U8_T1.4@82.423,360 82.296,359.873 82.296,358.857 85.934,355.219 99.06,355.219 101.219,353.06 R35_T1.2@101.219,352.363
LEDmsb3_T2: R35_T2.2 U8_T2.4 | length 23.2
  Bottom Layer w0.3: U8_T2.4@82.423,279.99 82.296,279.863 82.296,278.847 85.934,275.209 99.06,275.209 101.219,273.05 R35_T2.2@101.219,272.353
LEDmsb3_T3: R35_T3.2 U8_T3.4 | length 23.2
  Bottom Layer w0.3: U8_T3.4@82.423,199.98 82.296,199.853 82.296,198.837 85.934,195.199 99.06,195.199 101.219,193.04 R35_T3.2@101.219,192.343
LEDmsb3_T4: R35_T4.2 U8_T4.4 | length 23.2
  Bottom Layer w0.3: U8_T4.4@82.423,119.97 82.296,119.843 82.296,118.827 85.934,115.189 99.06,115.189 101.219,113.03 R35_T4.2@101.219,112.333
LEDmsb4_T1: R37_T1.2 U8_T1.6 | length 16.2
  Bottom Layer w0.3: U8_T1.6@79.883,360 79.883,358.73 84.394,354.219 90.535,354.219 91.742,353.012 91.742,352.442 R37_T1.2@91.821,352.363
LEDmsb4_T2: R37_T2.2 U8_T2.6 | length 16.2
  Bottom Layer w0.3: U8_T2.6@79.883,279.99 79.883,278.72 84.394,274.209 90.535,274.209 91.742,273.002 91.742,272.432 R37_T2.2@91.821,272.353
LEDmsb4_T3: R37_T3.2 U8_T3.6 | length 16.2
  Bottom Layer w0.3: U8_T3.6@79.883,199.98 79.883,198.71 84.394,194.199 90.535,194.199 91.742,192.992 91.742,192.422 R37_T3.2@91.821,192.343
LEDmsb4_T4: R37_T4.2 U8_T4.6 | length 16.2
  Bottom Layer w0.3: U8_T4.6@79.883,119.97 79.883,118.7 84.394,114.189 90.535,114.189 91.742,112.982 91.742,112.412 R37_T4.2@91.821,112.333
LEDs_DI1: U8_T1.14 U8_T2.9 | length 89.4
  Top Layer w0.3: v1(78.4,363.75) 78.475,363.675 83.625,363.675 v1(83.7,363.6)
  Bottom Layer w0.3: U8_T2.9@77.343,285.414 77.343,288.157 74.2,291.3 74.2,361 76.95,363.75 v1(78.4,363.75) ; U8_T1.14@83.693,365.424 83.697,365.421 83.697,363.603 v1(83.7,363.6)
LEDs_DI2: U8_T2.14 U8_T3.9 | length 89
  Top Layer w0.3: v1@78.299,283.801 v1(83.6,283.8)
  Bottom Layer w0.3: U8_T3.9@77.343,205.404 77.343,208.457 74.3,211.5 74.3,281.1 77.001,283.801 v1(78.299,283.801) ; v1(83.6,283.8) 83.647,283.846 83.647,285.368 U8_T2.14@83.693,285.414
LEDs_DI3: U8_T3.14 U8_T4.9 | length 89.3
  Top Layer w0.3: v1(78.4,203.8) v1(83.6,203.8)
  Bottom Layer w0.3: U8_T4.9@77.343,125.394 77.343,128.857 74.3,131.9 74.3,201.6 76.5,203.8 v1(78.4,203.8) ; v1(83.6,203.8) 83.647,203.846 83.647,205.358 U8_T3.14@83.693,205.404
LEDs_DI4: U1.53 U8_T4.14 | length 47.7
  Bottom Layer w0.3: U8_T4.14@83.693,125.394 83.693,124.093 82,122.4 77.314,122.4 75.7,120.786 75.7,114.721 85.221,105.2 97.534,105.2 100.41,102.324 U1.53@100.41,101.222
LEDs_DO1: U8_T1.9
LEDs_RCLK: U1.52 U8_T1.12 U8_T2.12 U8_T3.12 U8_T4.12 | length 304.3
  Bottom Layer w0.3: U8_T1.12@81.153,365.424 81.153,364.246 79.307,362.4 77.5,362.4 75.2,360.1 75.2,291.893 78.38,288.713 78.387,288.713 80.383,286.717 80.383,286.622 81.153,285.852 81.153,284.053 79.5,282.4 77.207,282.4 75.3,280.493 75.3,212 80.978,206.322 80.978,205.579 U8_T3.12@81.153,205.404 81.153,203.753 79.5,202.1 77,202.1 75.3,200.4 75.3,132.314 81.008,126.607 81.008,125.539 U8_T4.12@81.153,125.394 81.153,124.153 79.9,122.9 77.107,122.9 75.2,120.993 75.2,114.514 85.014,104.7 97.327,104.7 99.91,102.117 U1.52@99.91,101.222
LEDs_SCLK: U1.51 U8_T1.11 U8_T2.11 U8_T3.11 U8_T4.11 | length 301.2
  Bottom Layer w0.3: U8_T1.11@79.883,365.424 79.883,363.683 79.1,362.9 77.293,362.9 75.6,361.207 74.7,360.307 74.7,291.686 78.173,288.213 78.18,288.213 79.883,286.51 U8_T2.11@79.883,285.414 79.877,285.408 79.877,284.177 78.6,282.9 77,282.9 74.8,280.7 74.8,211.793 79.883,206.71 U8_T3.11@79.883,205.404 79.867,205.388 79.867,203.367 79.1,202.6 76.793,202.6 75.7,201.507 74.8,200.607 74.8,132.107 79.883,127.024 U8_T4.11@79.883,125.394 79.883,123.983 79.3,123.4 76.9,123.4 74.7,121.2 74.7,114.307 84.807,104.2 97.032,104.2 99.41,101.822 U1.51@99.41,101.222
logo_en1: R23.1 R59.1 U6.13 | length 525.5
  Top Layer w0.7: v1(69,452.1) 110.6,452.1 v1(110.642,452.058)
  Bottom Layer w0.7: R59.1@68.914,449.317 68.914,452.014 v1(69,452.1) ; v1(110.642,452.058) R23.1@110.751,449.19 ; R23.1@110.659,449.256 110.748,449.26 111.2,449.28 112,449.315 112.115,449.315 116.1,453.3 131.327,453.3 152.2,432.427 152.2,117.7 161.7,108.2 161.7,78.9 151,68.2 134.027,68.2 125.2,59.373 125.2,45.373 122.927,43.1 118.8,43.1 118.008,42.308 U6.13@118.008,40.499
logo_en2: R22.2 R24.1 R58.2 R60.1 U6.12 | length 539.3
  Bottom Layer w0.7: R58.2@63.914,449.317 65.064,449.317 66.481,447.9 71.347,447.9 72.764,449.317 R60.1@73.914,449.317 104.474,449.317 104.601,449.19 R22.2@105.751,449.19 106.901,449.19 107.026,449.065 107.026,448.874 108.6,447.3 113.3,447.3 114.476,448.476 114.476,449.065 114.601,449.19 R24.1@115.751,449.19 ; R22.2@106.843,449.315 106.843,449.743 111.4,454.3 131.6,454.3 153.3,432.6 153.3,117.873 162.6,108.573 162.6,78.4 151.5,67.3 134.4,67.3 126.3,59.2 126.3,45.2 123.3,42.2 119.688,42.2 119.278,41.79 119.278,40.112 U6.12@119.253,40.087
MISO: NRF1.7 PP1.2 U1.22 | length 40.8
  Bottom Layer w0.3: PP1.2@84.836,74.041 84.836,72.644 84.709,72.517 ; NRF1.7@91.313,69.977 88.773,72.517 84.836,72.517 84.709,72.517 ; U1.22@100.91,85.722 100.91,83.566 96.981,79.637 96.401,79.637 96.353,79.589 85.685,79.589 80.899,74.803 80.899,73.152 81.534,72.517 84.709,72.517
MOSI: NRF1.6 PP1.1 U1.21 | length 35.6
  Top Layer w0.3: PP1.1@82.296,74.041 84.138,72.199 85.844,72.199 87.673,70.37 87.673,68.537 NRF1.6@88.773,67.437
  Bottom Layer w0.3: PP1.1@82.296,74.041 87.344,79.089 97.074,79.089 97.122,79.137 97.188,79.137 101.41,83.359 U1.21@101.41,85.722
"NetBAT 1_1": "BAT 1.1" C24.2 U4.14 | length 29.5
  Bottom Layer w0.3: U4.14@135.239,54.102 135.989,54.102 151.372,38.719 152.14,38.719 153.14,37.719 153.332,37.527 C24.2@157.861,37.527
NetC6_1: C6.1 U1.98 | length 7.9
  Bottom Layer w0.3: U1.98@113.16,88.472 117.323,88.472 119.878,85.917 C6.1@119.973,85.917
NetC8_1: C8.1 L1.2 U1.100 | length 5.6
  Bottom Layer w0.3: U1.100@113.16,87.472 114.856,87.472 115.601,86.727 L1.2@115.951,86.727 117.271,86.727 117.79,86.208 117.79,86.142 118.015,85.917 C8.1@118.11,85.917
NetC15_1: C15.1 Q1.2 R10.1 | length 4.3
  Bottom Layer w0.3: Q1.2@127.585,75.022 127.585,71.237 127.896,70.926 R10.1@127.896,70.831
NetC16_2: C16.2 Q2.3 R11.1 | length 12.1
  Bottom Layer w0.3: R11.1@122.747,81.916 128.373,81.916 128.523,82.066 Q2.3@128.523,82.276 128.523,82.576 125.73,85.369 C16.2@125.73,87.124
NetC17_2: C17.2 Q2.2 R14.2 | length 7.2
  Bottom Layer w0.3: C17.2@122.872,78.36 122.747,78.485 R14.2@122.747,80.265 127.384,80.265 127.573,80.076 Q2.2@127.573,79.776
NetC27_T1_2: C27_T1.2 PAD1_T1.1 U7_T1.3 | length 7.4
  Bottom Layer w0.3: U7_T1.3@82.795,375.469 82.795,375.594 83.25,376.049 C27_T1.2@83.25,377.571 83.377,377.698 v1(88.265,377.698)
NetC27_T2_2: C27_T2.2 PAD1_T2.1 U7_T2.3 | length 7.4
  Bottom Layer w0.3: U7_T2.3@82.795,295.459 82.795,295.584 83.25,296.039 C27_T2.2@83.25,297.561 83.377,297.688 v1(88.265,297.688)
NetC27_T3_2: C27_T3.2 PAD1_T3.1 U7_T3.3 | length 7.4
  Bottom Layer w0.3: U7_T3.3@82.795,215.449 82.795,215.574 83.25,216.029 C27_T3.2@83.25,217.551 83.377,217.678 v1(88.265,217.678)
NetC27_T4_2: C27_T4.2 PAD1_T4.1 U7_T4.3 | length 7.4
  Bottom Layer w0.3: U7_T4.3@82.795,135.439 82.795,135.564 83.25,136.019 C27_T4.2@83.25,137.541 83.377,137.668 v1(88.265,137.668)
NetD1_1: D1.1 GDT1.1 U2.7 | length 14.9
  Bottom Layer w0.3: GDT1.1@141.986,78.132 144.136,78.132 144.71,78.706 D1.1@148.082,78.706 148.082,81.857 144.805,85.134 U2.7@144.005,85.134
NetD1_3: D1.3 D2.2 F1.1 R6.1 | length 16.2
  Bottom Layer w0.3: D1.3@148.082,74.656 148.857,75.431 150.158,75.431 153.308,78.581 D2.2@153.308,78.731 153.308,78.881 151.838,80.351 151.838,83.129 150.252,83.129 148.452,84.929 R6.1@148.357,84.929
NetD3_1: D3.1 D4.1 F2.1 R6.2 | length 16.4
  Bottom Layer w0.3: D4.1@148.082,96.837 148.857,96.062 149.958,96.062 153.308,92.712 D3.1@153.308,92.562 153.308,92.412 151.838,90.942 151.838,88.129 150.252,88.129 148.452,86.329 R6.2@148.357,86.329
NetD4_3: D4.3 GDT2.1 U2.6 | length 14.9
  Bottom Layer w0.3: GDT2.1@141.986,93.362 144.136,93.362 144.71,92.787 D4.3@148.082,92.787 148.082,89.681 144.805,86.404 U2.6@144.005,86.404
NetD5_2: D5.2 L2.1 U3.2 | length 25.8
  Bottom Layer w1: D5.2@48.768,99.681 48.618,99.681 46.6,101.699 46.6,115.014 46.6,115.6 48.602,117.602 L2.1@48.81,117.602 ; D5.2@49.268,100.181 51.273,102.186 U3.2@54.306,102.186
NetD6_A: D6.A V-IN1.1 V-IN2.2 | length 27.8
  Bottom Layer w1: V-IN1.1@57.985,64.135 V-IN1.1@57.985,64.521 ; D6.A@62.738,67.679 62.738,67.229 60.585,65.076 58.539,65.076 V-IN1.1@57.985,64.521 ; V-IN2.2@63.246,83.399 57.985,78.138 V-IN1.1@57.985,64.521
NetD9_1: D9.1 R30.2 | length 9.2
  Top Layer w0.3: v1(74.3,38.2) 74.3,40.711 D9.1@74.423,40.834
  Bottom Layer w0.3: v1(74.3,38.2) 73.6,37.5 73.6,33.682 74.708,32.574 R30.2@74.803,32.574
NetD9_2: D9.2 R29.2 | length 10.1
  Top Layer w0.3: v1@76.1,37.85 v1@76.162,37.912 ; D9.2@76.123,40.934 76.162,40.896 v1@76.162,38.462
  Bottom Layer w0.3: v1@76.1,38.4 76.1,36.331 79.857,32.574 R29.2@79.952,32.574
  other v1: 76.1,38.2
NetD9_3: D9.3 R28.2 | length 12.4
  Top Layer w0.3: v1@77.712,37.938 v1@77.8,37.85 ; v1@77.712,38.288 77.712,40.822 D9.3@77.723,40.834
  Bottom Layer w0.3: v1@77.8,37.85 v1(77.8,38.2) ; v1@78.1,38.2 83.726,32.574 R28.2@85.102,32.574
NetD10_1: D10.1 R51.2 | length 9.4
  Top Layer w0.3: D10.1@92.415,40.834 92.5,40.749 v1@92.5,38.176 ; v1@92.457,37.893 v1@92.5,37.85
  Bottom Layer w0.3: R51.2@90.251,32.574 90.346,32.574 92.5,34.728 v1(92.5,38.2)
NetD10_2: D10.2 R50.2 | length 9
  Top Layer w0.3: D10.2@94.115,40.934 94.2,40.849 v1(94.2,38.2) ; v1@94.157,37.893 v1@94.2,37.85
  Bottom Layer w0.3: v1(94.2,38.2) 94.2,33.679 95.305,32.574 R50.2@95.4,32.574